# Allegro board LAY-27392_C.brd (continued)
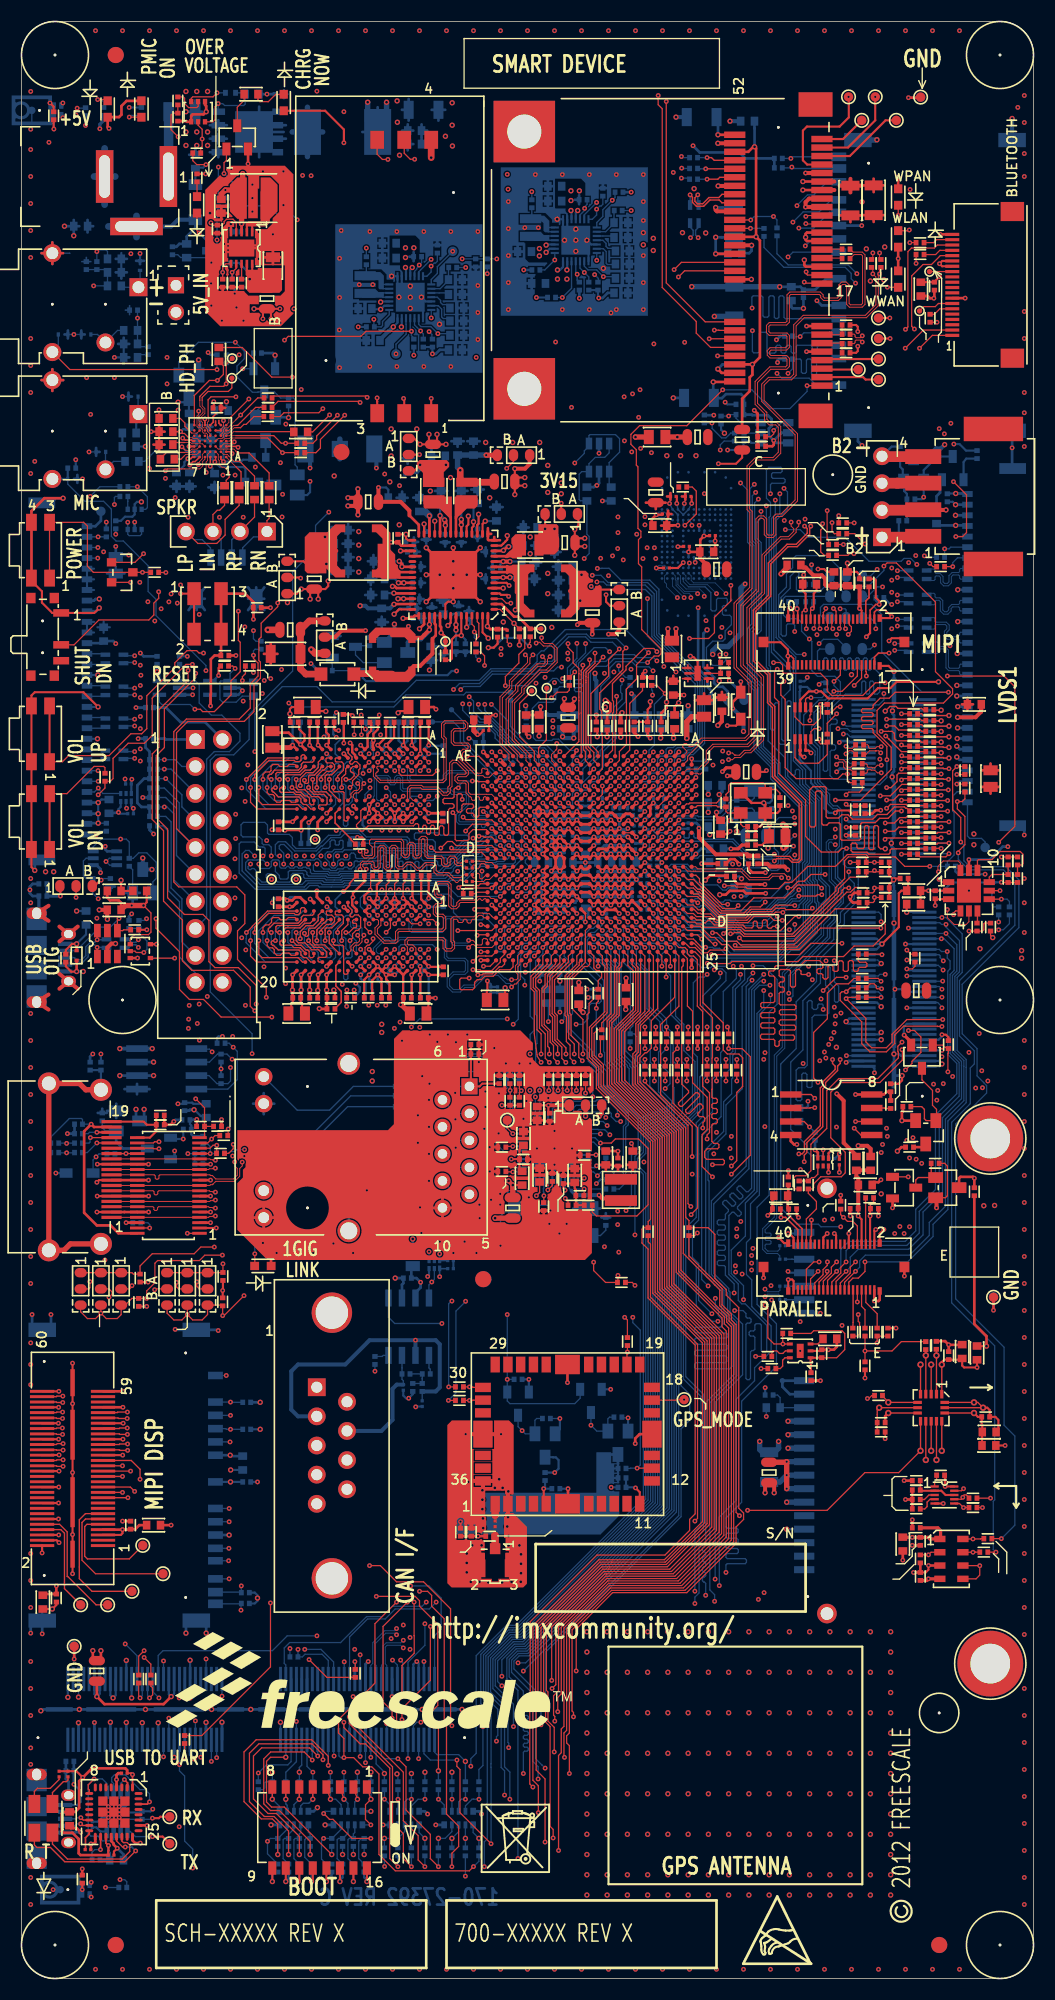
[diagram p0: board, top side]
## Routing (per net, layer and track width the routed paths; a pad name or vN(x,y) marks a point on that pad's centre or on a via; arc(x,y) is an arc through that point) (continued)
DRAM_A7: length 74.1
  TOP w0.119: U3.R2 26.73,115.01 26.6,115.14 26.45,115.14 26.32,115.01 26.32,114.63 26.19,114.5 25.79,114.5 25.67,114.62 23.31,114.62 21.96,113.27 v1(21.96,112.83) ; v1(47.47,105.81) U1.Y13 ; U2.R2 26.73,100.63 26.6,100.76 26.39,100.76 26.27,100.63 26.27,100.3 26.07,100.1 25.79,100.1 25.67,100.22 23.26,100.22 21.96,98.92 v1(21.96,98.42)
  L6_INT_2 w0.114: v1(21.96,112.83) 21.96,110.43 21.36,109.83 21.36,106.57 21.96,105.97 v1(21.96,105.63) 21.96,104.42 21.31,103.77 21.31,99.47 21.42,99.28 21.86,98.84 v1(21.96,98.42)
  BOTTOM w0.119: U5.R2 26.53,110.24 26.48,110.24 26.26,110.46 23.29,110.46 21.96,111.8 v1(21.96,112.83) ; U4.R2 26.53,95.84 26.53,95.84 26.31,96.06 23.29,96.06 21.96,97.4 v1(21.96,98.42) ; v1(21.96,105.63) 21.44,106.15 21.11,106.15 20.78,105.82 20.78,104.22 22.28,102.71 26.64,102.71 27,103.07 28.17,103.07 28.31,102.93 29.25,102.93 30.25,102.93 30.41,103.08 40.17,103.08 40.42,103.33 41.78,103.33 43.1,104.65 43.63,104.65 43.74,104.54 44.79,104.54 44.91,104.65 46.41,104.65 47.47,105.71 v1(47.47,105.81)
DRAM_A8: length 71.4
  TOP w0.119: U3.T8 22.2,110.04 21.57,110.67 v1(21.57,112.06) ; v1(21.57,97.66) 21.57,96.21 22.14,95.64 U2.T8 ; v1(45.87,105.81) U1.AB13
  L6_INT_2 w0.114: v1(21.57,112.06) 21.57,110.54 20.85,109.82 20.85,106.71 21.57,105.99 v1(21.57,104.86) 21.57,104.44 20.98,103.86 20.98,99.21 21.57,98.62 v1(21.57,97.66)
  BOTTOM w0.119: v1(21.57,112.06) 21.57,113.01 23.08,114.52 24.87,114.52 25.2,114.84 U5.T8 ; v1(21.57,104.86) 21.34,104.63 21.34,104.47 21.46,104.34 21.58,104.34 21.68,104.44 21.89,104.44 22.07,104.27 22.07,103.73 22.64,103.17 23.04,103.17 23.16,103.29 23.16,103.5 23.05,103.61 23.05,103.84 23.17,103.96 23.53,103.96 23.64,103.86 23.85,103.86 23.98,103.73 23.98,103.33 24.14,103.17 25.25,103.17 25.4,103.32 25.4,103.84 25.55,103.99 26.46,103.99 26.57,103.88 26.57,103.63 26.69,103.51 28.54,103.51 28.69,103.37 29.44,103.37 30.07,103.37 30.22,103.52 39.9,103.52 40.16,103.78 41.58,103.78 41.71,103.91 41.71,104.14 41.47,104.37 41.47,104.54 41.6,104.66 41.77,104.66 42.04,104.39 42.21,104.39 42.35,104.53 42.35,104.75 42.19,104.9 42.19,105.05 42.24,105.11 43.8,105.11 43.9,105 44.61,105 44.71,105.1 44.73,105.1 44.74,105.11 45.39,105.11 45.59,105.31 45.72,105.31 45.87,105.46 v1(45.87,105.81) ; U4.T8 23.41,100.44 21.57,98.61 v1(21.57,97.66)
DRAM_A9: length 63.8
  TOP w0.119: U3.R3 26.72,114.04 26.59,113.91 26.59,113.9 26.17,113.48 24.08,113.48 23.95,113.36 23.95,112.95 24.08,112.83 v1(24.3,112.83) ; U2.R3 26.72,99.64 26.6,99.53 26.57,99.53 26.13,99.08 24.08,99.08 23.95,98.96 23.95,98.55 24.08,98.42 v1(24.3,98.42) ; U1.AE12 40.63,106.21 v1(40.47,106.37)
  L6_INT_2 w0.114: v1(24.3,98.42) 24.3,99.02 23.66,99.66 23.66,100.53 24,100.88 24,102.51 24.3,102.81 v1(24.3,105.63) 24.3,106.77 24,107.06 24,108.33 23.66,108.67 23.66,109.34 24.3,109.97 v1(24.3,112.83)
  BOTTOM w0.119: v1(24.3,105.63) 24.04,105.63 23.9,105.77 23.9,106.68 24.18,106.96 24.87,106.96 25.73,106.1 27.75,106.1 28.22,106.56 28.34,106.56 29.12,107.35 30.06,107.35 30.46,107.75 31.79,107.75 32.38,107.16 36.18,107.16 36.3,107.04 36.3,106.84 36.59,106.56 38.07,106.56 38.17,106.46 38.17,106.25 38.4,106.02 38.73,106.02 38.95,106.25 38.95,106.92 38.71,107.16 37.11,107.16 36.98,107.29 36.98,107.67 37.11,107.8 39.24,107.8 39.45,107.58 41.95,107.58 42.11,107.42 42.11,107.26 41.99,107.13 41.65,107.13 40.89,106.37 v1(40.47,106.37) ; v1(24.3,112.83) 24.3,111.69 24.58,111.4 26.15,111.4 26.54,111.01 26.56,111.01 26.72,110.84 U5.R3 ; v1(24.3,98.42) 24.3,97.29 24.58,97 26.16,97 26.46,96.7 26.47,96.7 U4.R3
DRAM_A10: length 57.3
  TOP w0.119: v1(28.98,112.83) 28.98,111.79 U3.L7 ; v1(46.67,103.41) U1.AA15 ; v1(28.98,98.42) 28.98,97.39 U2.L7
  L3_INT_1 w0.114: v1(46.67,103.41) 46.45,103.41 46.06,103.8 44.89,103.8 44.73,103.63 43.99,103.63 43.63,103.28 43.18,103.28 43.08,103.38 43.08,103.47 42.97,103.58 42.82,103.58 42.71,103.47 42.71,103.38 42.6,103.28 42.42,103.28 42.25,103.45 42.25,103.82 42.36,103.92 42.56,103.92 42.67,104.03 42.67,104.5 42.49,104.67 41.99,104.67 41.88,104.57 41.88,103.91 41.77,103.8 40.39,103.8 40.27,103.91 40.27,104.14 40.15,104.27 39.98,104.27 39.85,104.14 39.85,103.88 39.73,103.76 39.57,103.76 39.45,103.88 39.45,104.03 39.32,104.15 39.13,104.15 38.89,104.39 38.43,104.39 38.3,104.27 38.19,104.27 38.11,104.34 38.11,104.84 37.98,104.97 37.84,104.97 37.72,104.84 37.72,104.34 37.61,104.23 37.44,104.23 37.34,104.34 37.34,105.63 37.23,105.74 37.08,105.74 36.97,105.63 36.97,104.37 36.86,104.27 36.71,104.27 36.6,104.37 36.6,105.84 36.49,105.94 36.34,105.94 36.23,105.84 36.23,104.38 36.12,104.27 35.96,104.27 35.85,104.38 35.85,104.9 35.72,105.03 33.52,105.03 33.39,105.16 33.39,105.94 32.77,106.56 31.63,106.56 31.45,106.38 31.45,106.1 31.34,105.99 31.19,105.99 31.09,106.1 31.09,106.2 31.04,106.25 29.29,106.25 28.98,105.94 v1(28.98,105.63)
  L6_INT_2 w0.114: v1(28.98,98.42) 28.98,100.04 28.35,100.68 28.35,101.7 28.65,102.01 28.65,103.38 28.98,103.71 v1(28.98,105.63) 28.98,106.14 29.19,106.35 29.19,107.19 28.83,107.54 28.83,108.33 29.31,108.81 29.31,111.2 28.98,111.54 v1(28.98,112.83)
  BOTTOM w0.119: v1(28.98,98.42) 28.98,98.81 29.47,99.3 29.47,99.78 29.61,99.92 29.8,99.92 29.93,99.8 U4.L7 ; v1(28.98,112.83) 28.98,113.21 29.47,113.7 29.47,114.18 29.61,114.32 29.8,114.32 29.93,114.2 U5.L7
DRAM_A11: length 61.9
  TOP w0.119: v1(45.07,106.61) U1.AC12 ; U2.R7 26.73,96.51 26.24,97 26.22,97 26.22,97 25.65,97 25.43,97.23 24.46,97.23 24.33,97.36 24.33,97.54 24.46,97.66 v1(24.69,97.66) ; v1(24.69,112.06) 24.43,112.06 24.31,111.94 24.31,111.73 24.43,111.61 25.6,111.61 25.81,111.4 26.22,111.4 26.22,111.4 26.24,111.4 26.73,110.91 U3.R7
  L6_INT_2 w0.114: v1(24.69,97.66) 24.69,99.03 24.47,99.25 24.47,99.25 24.04,99.68 24.04,100.53 24.28,100.77 24.28,102.36 24.69,102.77 v1(24.69,104.86) 24.69,106.76 24.22,107.23 24.22,108.55 23.98,108.79 23.98,109.3 24.69,110.01 v1(24.69,112.06)
  BOTTOM w0.119: U4.R7 26.15,99.07 25.16,99.07 24.69,98.6 v1(24.69,97.66) ; v1(24.69,104.86) 24.69,105.89 24.27,106.31 24.27,106.57 24.41,106.71 24.71,106.71 25.47,105.95 25.47,105.39 25.62,105.24 26.07,105.24 26.09,105.25 26.41,105.25 26.43,105.24 26.85,105.24 26.87,105.25 27.19,105.25 27.21,105.24 27.58,105.24 27.7,105.36 27.91,105.36 28.2,105.07 28.2,104.64 28.45,104.4 28.97,104.4 29.11,104.25 29.62,104.25 29.77,104.41 30.26,104.41 30.43,104.57 30.67,104.57 30.83,104.41 31.04,104.41 31.32,104.68 31.32,105.06 31.42,105.16 31.6,105.16 31.66,105.09 31.86,105.09 31.93,105.16 32.15,105.16 32.26,105.05 32.45,105.05 32.79,105.38 33.27,105.38 33.53,105.64 33.53,106 33.68,106.15 33.98,106.15 34.23,105.9 35.17,105.9 35.35,105.72 35.35,105.47 35.46,105.36 35.62,105.36 35.73,105.47 35.73,105.79 35.84,105.9 35.99,105.9 36.1,105.79 36.1,105.42 36.21,105.31 36.36,105.31 36.47,105.42 36.47,105.79 36.58,105.9 36.74,105.9 36.85,105.79 36.85,105.44 36.96,105.33 37.11,105.33 37.22,105.44 37.22,105.8 37.29,105.87 37.54,105.87 37.63,105.78 37.63,105.38 37.82,105.19 39.06,105.19 39.17,105.07 39.17,104.83 39.3,104.7 39.44,104.7 39.55,104.81 39.55,105.36 39.68,105.49 39.9,105.49 40,105.39 40,105.13 40.13,105 40.31,105 40.43,105.13 40.43,105.36 40.53,105.45 40.95,105.45 41.94,106.44 43.66,106.44 43.95,106.73 43.95,107.01 44.17,107.24 44.35,107.24 44.58,107.01 44.58,106.73 44.7,106.61 v1(45.07,106.61) ; v1(24.69,112.06) 24.69,113 25.16,113.47 26.15,113.47 U5.R7
DRAM_A12: length 63
  TOP w0.119: U1.AD12 44.27,106.61 43.7,106.61 43.7,106.6 40.92,106.6 40.54,106.98 40.09,106.98 v1(39.47,106.37) ; v1(25.86,112.83) 25.86,112.06 26.07,111.85 26.68,111.85 27.33,111.2 27.97,111.2 U3.N7 ; U2.N7 27.97,96.8 27.33,96.8 26.68,97.45 26.07,97.45 25.86,97.66 v1(25.86,98.42)
  L3_INT_1 w0.114: v1(39.47,106.37) 39.47,106.55 39.4,106.63 39.09,106.63 38.96,106.5 38.96,106.05 39.09,105.92 39.65,105.92 39.88,106.15 40.13,106.15 40.31,105.97 41.63,105.97 41.76,106.1 41.76,106.79 41.63,106.91 41.48,106.91 41.35,106.79 41.35,106.41 41.24,106.3 41.08,106.3 40.97,106.41 40.97,106.79 40.84,106.91 40.44,106.91 40.15,106.63 39.85,106.63 39.57,106.91 37.12,106.91 36.84,107.19 33.58,107.19 33.34,107.42 32.53,107.42 31.72,108.24 30.9,108.24 29.59,109.55 29.24,109.55 28.93,109.25 28.57,109.25 28.14,109.68 27.38,109.68 25.7,108 25.7,105.78 v1(25.86,105.63)
  L6_INT_2 w0.114: v1(25.86,98.42) 25.88,98.45 25.88,99.24 25.58,99.54 25.58,100.28 25.64,100.34 25.88,100.58 25.88,102.82 26.26,103.2 26.26,103.84 25.86,104.24 v1(25.86,105.63) 25.69,105.79 25.69,106.25 26.01,106.57 26.01,106.93 25.72,107.22 25.72,108.43 25.92,108.62 25.92,109.36 25.76,109.53 25.76,111.66 25.86,111.76 v1(25.86,112.83)
  BOTTOM w0.119: v1(25.86,112.83) 25.86,112.72 25.96,112.62 26.15,112.62 26.25,112.72 26.25,112.91 26.48,113.14 26.8,113.14 27.09,113.43 27.16,113.43 27.17,113.44 27.4,113.44 27.87,113.9 27.87,114.17 27.97,114.27 28.23,114.27 28.33,114.17 U5.N7 ; v1(25.86,98.42) 25.86,98.32 25.96,98.22 26.15,98.22 26.25,98.32 26.25,98.51 26.48,98.74 26.8,98.74 27.09,99.03 27.16,99.03 27.17,99.04 27.4,99.04 27.87,99.5 27.87,99.77 27.97,99.87 28.23,99.87 28.33,99.77 U4.N7
DRAM_A13: length 66.4
  TOP w0.119: U1.AC17 v1(45.07,101.81) ; U3.T3 25.74,114.23 25.2,114.23 25.02,114.05 24.34,114.05 24.16,114.23 23.68,114.23 23.5,114.05 23.5,113.65 23.37,113.53 22.97,113.53 22.74,113.29 v1(22.74,112.83) ; U2.T3 25.74,99.83 25.13,99.83 24.92,99.62 24.42,99.62 24.21,99.83 23.68,99.83 23.55,99.7 23.55,99.39 23.29,99.14 22.99,99.14 22.74,98.89 v1(22.74,98.42)
  L6_INT_2 w0.114: v1(22.74,112.83) 22.74,110.26 22.07,109.6 22.07,106.66 22.74,105.99 v1(22.74,105.63) 22.74,104.34 22.14,103.74 22.14,99.45 22.74,98.85 v1(22.74,98.42)
  BOTTOM w0.119: v1(22.74,112.83) 22.74,111.9 23.79,110.84 U5.T3 ; U4.T3 23.79,96.44 22.74,97.5 v1(22.74,98.42) ; v1(45.07,101.81) 41.07,101.81 40.02,102.86 30.5,102.86 30.35,102.71 29.16,102.71 29.16,102.71 28.04,102.71 27.9,102.85 27.13,102.85 26.77,102.49 22.02,102.49 20.5,104.01 20.5,106.76 20.68,106.93 21.92,106.93 22.38,106.48 22.67,106.48 22.69,106.46 22.83,106.46 22.94,106.35 22.94,105.75 22.81,105.63 v1(22.74,105.63)
DRAM_A14: length 64.7
  TOP w0.119: U3.T7 25.93,110.81 25.8,110.68 25.41,110.68 25.25,110.85 24.52,110.85 24.36,110.68 24.04,110.68 23.83,110.9 23.83,111.24 23.66,111.4 23.32,111.4 23.13,111.6 v1(23.13,112.06) ; v1(23.13,97.66) 23.13,97.2 23.35,96.98 23.64,96.98 23.8,96.82 23.8,96.52 24.04,96.28 24.38,96.28 24.59,96.49 25.19,96.49 25.4,96.28 25.77,96.28 U2.T7 ; v1(46.67,106.61) U1.AA12
  L6_INT_2 w0.114: v1(23.13,97.66) 23.13,98.87 22.53,99.47 22.53,103.64 23.13,104.24 v1(23.13,104.86) 23.13,105.94 22.45,106.62 22.45,109.58 23.13,110.25 v1(23.13,112.06)
  BOTTOM w0.119: U4.T7 25.03,99.64 25.03,99.64 24.15,99.64 23.13,98.62 v1(23.13,97.66) ; v1(23.13,104.86) 22.76,105.24 22.53,105.24 22.51,105.25 22.19,105.25 22.17,105.24 21.8,105.24 21.78,105.26 21.36,105.26 21.34,105.24 21.34,105.24 21.11,105 21.11,104.32 22.48,102.95 26.43,102.95 26.77,103.29 28.36,103.29 28.5,103.15 29.35,103.15 29.35,103.15 30.16,103.15 30.32,103.3 40.08,103.3 40.34,103.56 41.7,103.56 42.67,104.54 42.67,104.67 42.88,104.88 43.71,104.88 43.81,104.77 44.7,104.77 44.8,104.88 46.3,104.88 46.48,105.05 46.48,105.28 46.62,105.42 46.85,105.42 47.06,105.63 47.06,105.98 46.67,106.37 v1(46.67,106.61) ; U5.T7 25.03,114.04 25.03,114.04 24.15,114.04 23.13,113.02 v1(23.13,112.06)
DRAM_A15: length 61
  TOP w0.119: U2.M7 29.13,96.68 28.55,97.26 27.64,97.26 27.42,97.47 v1(27.42,98.42) ; U3.M7 29.13,111.21 28.68,111.66 27.64,111.66 27.42,111.87 v1(27.42,112.83) ; v1(47.47,106.61) U1.Y12
  L6_INT_2 w0.114: v1(27.42,98.42) 27.42,100.27 26.79,100.9 26.79,101.74 27.18,102.12 27.18,102.82 27.42,103.06 v1(27.42,105.63) 27.42,106.12 27.23,106.31 27.23,108.32 27.58,108.67 27.58,109.12 27.33,109.37 27.33,110.17 27.58,110.43 27.58,111.52 27.42,111.69 v1(27.42,112.83)
  BOTTOM w0.119: v1(27.42,105.63) 27.65,105.63 28.04,106.02 28.36,106.34 28.89,106.34 29.06,106.5 29.06,106.97 29.22,107.13 29.44,107.13 29.54,107.03 29.54,106.73 29.61,106.65 29.84,106.65 29.92,106.73 29.92,106.99 30.03,107.1 30.2,107.1 30.27,107.02 30.27,106.4 30.11,106.24 29.45,106.24 29.23,106.02 28.8,106.02 28.59,105.8 28.59,105.42 28.98,105.03 28.98,104.74 29.24,104.47 29.49,104.47 29.76,104.74 29.76,105.11 29.88,105.24 29.97,105.24 30.07,105.33 30.28,105.33 30.36,105.25 30.76,105.25 30.91,105.41 30.91,105.75 31.06,105.9 31.26,105.9 31.44,105.72 31.44,105.49 31.54,105.39 32.46,105.39 32.94,105.87 32.94,106.3 33.12,106.48 34.01,106.48 34.37,106.12 37.65,106.12 38.3,105.46 38.86,105.46 39.11,105.71 40.9,105.71 41.85,106.66 43.25,106.66 44.18,107.59 44.55,107.59 44.68,107.47 44.68,107.24 44.9,107.02 46.09,107.02 46.27,107.2 46.27,107.65 46.43,107.81 46.89,107.81 47.08,107.62 47.08,107.25 47.47,106.86 v1(47.47,106.61) ; U4.M7 29.13,99.33 28.63,98.83 27.93,98.83 27.81,98.7 27.81,98.16 27.69,98.04 27.53,98.04 27.42,98.16 v1(27.42,98.42) ; v1(27.42,112.83) 27.42,112.57 27.55,112.45 27.68,112.45 27.81,112.57 27.81,112.99 28.04,113.21 28.66,113.21 29.13,113.68 U5.M7
DRAM_CAS_B: length 56.8
  TOP w0.119: v1(30.15,97.66) 30.15,98.26 30.15,98.26 30.15,98.59 30.73,99.17 U2.K3 ; U1.AE16 43.19,103.01 43.01,102.83 41.34,102.83 v1(41.15,102.64) ; U3.K3 30.52,113.84 30.52,113.6 30.52,113.59 30.52,113.34 30.39,113.21 30.37,113.21 30.15,112.99 30.15,112.66 30.15,112.66 v1(30.15,112.06)
  L3_INT_1 w0.114: v1(41.15,102.64) 41.15,102.23 41.25,102.13 42.01,102.13 42.14,102.01 42.14,101.68 42.01,101.55 40.66,101.55 40.48,101.55 38.74,103.29 33.58,103.29 33.36,103.07 31.42,103.07 31.02,102.67 31.02,102.08 31,102.07 30.82,101.88 30.82,101.33 30.71,101.22 30.07,101.22 29.93,101.08 29.93,100.85 29.8,100.71 29.34,100.71 29.24,100.81 29.24,101.92 29.11,102.05 28.2,102.05 28.05,101.9 27.91,101.9 27.79,101.77 27.79,101.6 27.91,101.47 28.22,101.47 28.35,101.35 28.35,100.86 28.22,100.74 27.81,100.74 27.69,100.86 27.69,101.12 27.56,101.24 27.38,101.24 27.25,101.12 27.25,100.94 27.13,100.81 26.95,100.81 26.77,100.99 26.77,101.8 27.38,102.41 27.38,102.97 27.59,103.18 27.59,103.18 28.36,103.95 29.31,103.95 30.15,104.79 v1(30.15,104.86)
  L6_INT_2 w0.114: v1(30.15,112.06) 30.15,111.66 30.45,111.35 30.45,110.92 30.14,110.61 30.14,108.98 30.25,108.87 30.25,107.98 30.53,107.7 30.53,106.4 30.15,106.02 v1(30.15,104.86) 30.15,102.89 29.92,102.67 29.92,101.96 30.2,101.68 30.2,101.32 29.79,100.92 29.79,100.05 30.15,99.7 v1(30.15,97.66)
  BOTTOM w0.119: v1(30.15,97.66) 30.15,97.87 30.25,97.97 30.39,97.97 30.54,97.82 30.54,96.91 30.73,96.72 U4.K3 ; v1(30.15,112.06) 30.15,112.27 30.25,112.37 30.39,112.37 30.54,112.22 30.54,111.03 U5.K3
DRAM_CS0_B: length 60.8
  TOP w0.119: U3.L2 29.6,114.84 29.54,114.78 29.54,114.55 29.62,114.48 30.15,114.48 30.3,114.32 30.3,113.69 29.76,113.14 v1(29.76,112.83) ; v1(47.47,102.61) U1.Y16 ; U2.L2 29.6,100.44 29.54,100.38 29.54,100.15 29.62,100.08 30.15,100.08 30.3,99.92 30.3,99.29 29.76,98.74 v1(29.76,98.42)
  L3_INT_1 w0.114: v1(29.76,105.63) 29.75,105.62 29.75,104.7 29.22,104.17 28.23,104.17 27.06,103 27.06,102.63 26.54,102.11 26.54,100.89 27.01,100.42 30.5,100.42 31.7,101.62 31.7,101.96 31.34,102.31 31.34,102.49 31.48,102.63 31.66,102.63 31.98,102.31 32.15,102.31 32.26,102.42 32.26,102.64 32.47,102.86 33.45,102.86 33.67,103.07 38.65,103.07 40.39,101.33 40.42,101.3 43.48,101.3 43.83,101.64 44.18,101.64 44.76,102.21 45.26,102.21 45.47,102.41 45.47,102.77 45.72,103.02 47.05,103.02 v1(47.47,102.61)
  L6_INT_2 w0.114: v1(29.76,98.42) 29.76,98.67 29.92,98.83 29.92,99.54 29.48,99.98 29.48,101.67 29.69,101.88 29.69,102.88 29.76,102.95 29.77,102.95 29.92,103.1 29.92,104.28 29.76,104.44 v1(29.76,105.63) 29.76,106.06 30.25,106.55 30.25,107.61 30.04,107.82 30.04,108.7 29.87,108.86 29.87,110.69 30,110.82 30,111.44 29.76,111.68 v1(29.76,112.83)
  BOTTOM w0.119: U5.L2 29.93,110.26 30.28,110.61 30.28,111.38 29.76,111.9 v1(29.76,112.83) ; v1(29.76,98.42) 29.76,97.54 30.28,97.02 30.28,96.24 29.93,95.89 U4.L2
DRAM_D0: length 26
  TOP w0.119: U3.E3 34.73,114.04 v1(35.13,114.45) ; U1.AD2 v1(44.27,114.61)
  L3_INT_1 w0.114: v1(35.13,114.45) 35.35,114.45 35.55,114.64 35.55,115.56 35.65,115.66 36.09,115.66 36.32,115.89 36.32,116.2 36.79,116.66 37.59,116.66 37.69,116.56 37.69,116.3 37.79,116.2 37.93,116.2 38.02,116.3 38.02,116.56 38.13,116.66 38.18,116.66 38.3,116.79 38.58,116.79 38.73,116.64 38.73,115.87 38.84,115.77 38.96,115.77 39.07,115.87 39.07,116.53 39.17,116.64 39.29,116.64 39.4,116.53 39.4,115.95 39.5,115.85 39.67,115.85 39.78,115.95 39.78,116.48 39.88,116.59 40.03,116.59 40.13,116.48 40.13,115.87 40.23,115.77 40.39,115.77 40.49,115.87 40.49,116.53 40.59,116.64 40.75,116.64 40.84,116.54 40.84,115.59 40.94,115.49 41.09,115.49 41.19,115.59 41.19,116.51 41.29,116.61 41.43,116.61 41.53,116.51 41.53,115.52 41.63,115.42 41.83,115.42 41.94,115.52 41.94,116.18 42.04,116.28 42.19,116.28 42.29,116.18 42.29,116.1 42.39,116 42.49,116 42.6,115.9 42.6,115.72 42.49,115.62 42.32,115.62 42.21,115.52 42.21,115.32 42.32,115.21 42.82,115.21 42.93,115.11 42.93,114.02 43.03,113.92 43.28,113.92 43.38,114.02 43.38,114.88 43.48,114.99 43.66,114.99 43.76,114.88 43.76,114.02 43.87,113.92 44.17,113.92 44.27,114.02 v1(44.27,114.61)
DRAM_D1: length 26.1
  TOP w0.119: U3.F8 33.93,110.04 v1(34.33,110.45) ; v1(41.9,114.99) 43.07,114.99 43.85,114.21 U1.AE2
  L3_INT_1 w0.114: v1(34.33,110.45) 34.33,110.46 34.73,110.85 34.73,111.45 34.92,111.65 35.05,111.78 35.05,113.03 35.54,113.52 35.54,113.84 35.74,114.05 36.13,114.05 36.33,114.25 36.33,115.39 36.57,115.63 36.57,115.63 36.6,115.66 38.61,115.66 38.89,115.38 38.89,114.5 38.99,114.4 39.19,114.4 39.29,114.5 39.29,115.49 39.4,115.59 39.62,115.59 39.69,115.52 39.69,114.47 39.76,114.4 40,114.4 40.11,114.5 40.11,115.42 40.21,115.52 40.36,115.52 40.46,115.42 40.46,114.5 40.56,114.4 40.69,114.4 40.79,114.5 40.79,115.16 40.89,115.27 41.19,115.27 41.29,115.16 41.29,114.66 41.39,114.55 42.06,114.55 42.16,114.45 42.16,114.33 42.06,114.22 41.39,114.22 41.29,114.12 41.29,113.98 41.63,113.64 42.57,113.64 42.67,113.74 42.67,114.89 42.57,114.99 v1(41.9,114.99)
DRAM_D2: length 26.2
  TOP w0.119: v1(45.86,113.01) 45.47,112.62 U1.AC4 ; v1(33.53,115.24) 33.52,115.24 33.13,114.85 U3.G2
  L3_INT_1 w0.114: v1(45.86,113.01) 45.86,112.9 45.95,112.81 46.19,112.81 46.28,112.9 46.28,113.28 46.14,113.42 45.62,113.42 45.47,113.58 45.47,114.12 45.54,114.2 46.3,114.2 46.39,114.29 46.39,114.43 46.3,114.53 45.58,114.53 45.48,114.63 45.48,114.78 45.58,114.88 46.3,114.88 46.41,114.99 46.41,115.14 46.3,115.24 45.58,115.24 45.48,115.34 45.48,115.92 45.26,116.14 45.26,116.21 43.6,117.87 43.53,117.87 43.41,117.99 42.96,117.99 42.84,118.11 42.72,118.11 42.6,117.99 42.48,117.99 42.36,118.11 42.24,118.11 42.12,117.99 42,117.99 41.87,118.11 41.76,118.11 41.63,117.99 41.51,117.99 41.39,118.11 41.27,118.11 41.15,117.99 41.03,117.99 40.91,118.11 40.79,118.11 40.67,117.99 40.55,117.99 40.43,118.11 40.31,118.11 40.19,117.99 40.07,117.99 39.94,118.11 39.82,118.11 39.7,117.99 39.58,117.99 39.46,118.11 39.34,118.11 39.22,117.99 39.1,117.99 38.98,118.11 38.86,118.11 38.74,117.99 38.62,117.99 38.5,118.11 38.38,118.11 38.26,117.99 38.14,117.99 38.01,118.11 37.89,118.11 37.77,117.99 37.65,117.99 37.53,118.11 37.41,118.11 37.29,117.99 37.17,117.99 37.05,118.11 36.93,118.11 36.81,117.99 36.69,117.99 36.57,118.11 36.45,118.11 36.32,117.99 36.21,117.99 36.08,118.11 35.96,118.11 35.84,117.99 35.72,117.99 35.6,118.11 35.48,118.11 35.36,117.99 35.24,117.99 35.12,118.11 35,118.11 34.88,117.99 34.19,117.99 33.4,117.2 33.4,116.91 33.71,116.6 33.88,116.6 34.01,116.47 34.01,116.28 33.92,116.19 33.92,115.86 33.53,115.47 v1(33.53,115.24)
DRAM_D3: length 25.9
  TOP w0.119: U3.H3 32.33,114.05 v1(32.72,114.44) ; v1(46.67,112.21) U1.AA5
  L3_INT_1 w0.114: v1(33.68,118.88) 33.88,118.68 43.52,118.68 47.05,115.15 47.05,112.54 46.73,112.21 v1(46.67,112.21)
  L6_INT_2 w0.114: v1(32.72,114.44) 33.12,114.85 33.12,115.72 32.74,116.1 32.74,116.65 32.74,116.98 33.46,117.7 34.49,117.7 34.65,117.86 34.65,118.25 34.01,118.88 v1(33.68,118.88)
DRAM_D4: length 26
  TOP w0.119: v1(45.05,115.43) U1.AC1 ; U3.F2 33.93,114.84 v1(33.53,114.45)
  L3_INT_1 w0.114: v1(33.8,117.02) 33.8,117.22 34.24,117.65 43.51,117.65 45.05,116.12 v1(45.05,115.43)
  L6_INT_2 w0.114: v1(33.53,114.45) 33.95,114.86 34.49,114.86 34.72,115.09 34.72,116.23 35.08,116.59 38.35,116.59 38.53,116.76 38.53,117.12 38.35,117.3 34.08,117.3 v1(33.8,117.02)
DRAM_D5: length 26
  TOP w0.119: v1(34.33,111.25) 33.93,110.84 U3.F7 ; U1.AD1 v1(44.27,115.41)
  L3_INT_1 w0.114: v1(44.27,115.41) 44.27,115.37 44.09,115.19 43.94,115.19 43.85,115.28 43.85,115.67 43.73,115.8 43.31,115.8 43.23,115.72 43.06,115.72 42.95,115.83 42.95,115.99 43.06,116.1 43.84,116.1 44.09,115.86 44.25,115.86 44.36,115.96 44.36,116.11 44,116.47 42.9,116.47 42.15,117.22 41.96,117.22 41.84,117.11 41.84,116.95 41.73,116.84 41.5,116.84 41.38,116.95 41.38,117.11 41.27,117.22 41.04,117.22 40.93,117.11 40.93,116.97 40.83,116.87 40.57,116.87 40.47,116.97 40.47,117.11 40.36,117.22 40.13,117.22 40.01,117.11 40.01,116.95 39.9,116.84 39.67,116.84 39.53,116.98 39.18,116.98 39.09,116.89 38.79,116.89 38.66,117.02 38.66,117.09 38.53,117.22 38.33,117.22 38.2,117.09 38.2,116.99 38.09,116.88 37.91,116.88 37.79,116.99 37.79,117.09 37.67,117.22 37.38,117.22 37.27,117.11 37.27,116.99 37.15,116.88 36.93,116.88 36.81,116.99 36.81,117.11 36.7,117.22 36.47,117.22 36.35,117.11 36.35,116.59 36.23,116.46 36.02,116.46 35.9,116.59 35.9,117.11 35.78,117.22 34.99,117.22 34.86,117.09 34.86,116.76 34.99,116.64 35.56,116.64 35.66,116.54 35.66,116.32 35.49,116.15 35.33,116.15 35.26,116.09 35.26,115.96 35.35,115.88 35.35,115.71 35.27,115.63 34.97,115.63 34.75,115.41 34.75,111.84 34.54,111.63 34.46,111.63 34.33,111.51 v1(34.33,111.25)
DRAM_D6: length 26
  TOP w0.119: U1.AB4 46.27,112.61 v1(46.67,113.01) ; v1(32.73,111.25) 32.33,110.84 U3.H7
  L3_INT_1 w0.114: v1(32.73,111.25) 32.89,111.25 33.42,111.78 33.42,113.19 33.12,113.49 33.12,113.81 32.89,114.03 32.58,114.03 32.33,114.28 32.33,115.86 32.74,116.27 32.74,116.33 32.74,116.94 33.84,118.04 33.84,118.04 34.19,118.39 43.47,118.39 46.67,115.2 v1(46.67,113.01)
DRAM_D7: length 26.1
  TOP w0.119: v1(41.12,112.03) 40.84,112.03 40.72,111.91 40.72,111.18 40.59,111.05 39.8,111.05 39.67,110.92 39.67,110.67 39.8,110.54 40.59,110.54 40.72,110.41 40.72,110.24 40.59,110.11 40.32,110.11 40.19,109.98 40.19,107.7 40.07,107.57 39.88,107.57 39.75,107.7 39.75,108.33 39.62,108.46 39.45,108.46 39.32,108.33 39.32,107.7 39.19,107.57 38.99,107.57 38.88,107.68 38.88,108.4 38.77,108.51 38.61,108.51 38.5,108.4 38.5,107.78 38.39,107.67 38.24,107.67 38.13,107.78 38.13,108.4 38.02,108.51 37.87,108.51 37.76,108.4 37.76,108.01 37.65,107.9 37.49,107.9 37.38,108.01 37.38,108.55 37.27,108.66 37.1,108.66 36.9,108.46 32.64,108.46 32.14,107.96 31.96,107.96 31.54,108.39 31.54,108.57 31.95,108.97 31.95,109.87 32.12,110.04 U3.H8 ; v1(42.44,112.67) 42.93,112.67 42.99,112.61 U1.AE4
  BOTTOM w0.119: v1(41.12,112.03) 41.26,112.17 41.26,112.31 41.62,112.67 v1(42.44,112.67)
DRAM_D8: length 16.5
  TOP w0.119: U3.D7 35.53,110.84 v1(35.93,111.25) ; U1.AD5 v1(44.27,112.21)
  L6_INT_2 w0.114: v1(44.27,112.21) 44.2,112.28 44.2,112.64 44.08,112.75 43.24,112.75 43.13,112.87 43.13,113.1 43.24,113.21 44.08,113.21 44.2,113.33 44.2,113.46 44.08,113.58 43.5,113.58 42.98,114.1 42.62,114.1 42.49,113.97 42.49,113.44 42.35,113.3 41.02,113.3 40.89,113.17 40.89,113.08 40.48,112.66 40.25,112.66 39.93,112.34 37.65,112.34 37.52,112.47 37.52,113.08 37.34,113.26 36.58,113.26 36.38,113.06 36.38,111.33 36.3,111.25 v1(35.93,111.25)
DRAM_D9: length 16.6
  TOP w0.119: U3.A7 37.93,110.84 v1(38.33,111.25) ; U1.AE5 v1(43.47,112.21)
  L6_INT_2 w0.114: v1(43.47,112.21) 43.74,112.21 43.87,112.08 43.87,111.81 43.74,111.68 42.93,111.68 42.82,111.8 42.82,112.15 42.7,112.27 42.47,112.27 42.36,112.15 42.36,111.8 42.24,111.68 42.04,111.68 41.88,111.84 41.88,112.95 41.76,113.08 41.41,113.08 41.28,112.95 41.28,112.62 41.16,112.5 40.66,112.5 40.28,112.12 40.08,112.12 39.97,112 39.97,111.77 39.85,111.66 39.62,111.66 39.51,111.77 39.51,112 39.39,112.12 39.05,112.12 38.92,111.99 38.92,111.74 38.81,111.63 38.66,111.63 38.55,111.74 38.55,112 38.44,112.12 37.31,112.12 37.19,112.24 37.19,112.5 37.06,112.62 36.84,112.62 36.71,112.5 36.71,111.43 36.84,111.3 36.99,111.3 37.33,111.65 37.93,111.65 v1(38.33,111.25)
DRAM_D10: length 16.6
  TOP w0.119: U1.AA6 47.05,111.01 v1(46.67,111.41) ; U3.C2 36.33,114.84 v1(35.93,114.45)
  L6_INT_2 w0.114: v1(35.93,114.45) 36.35,114.86 36.89,114.86 37.14,115.1 37.14,115.4 37.15,115.41 37.37,115.63 37.38,115.64 38.58,115.64 38.86,115.93 45.1,115.93 47.07,113.96 47.07,111.81 v1(46.67,111.41)
